# Altium PCB Proyecto_0 - V2.PcbDoc (part 5 of 6) (continued)
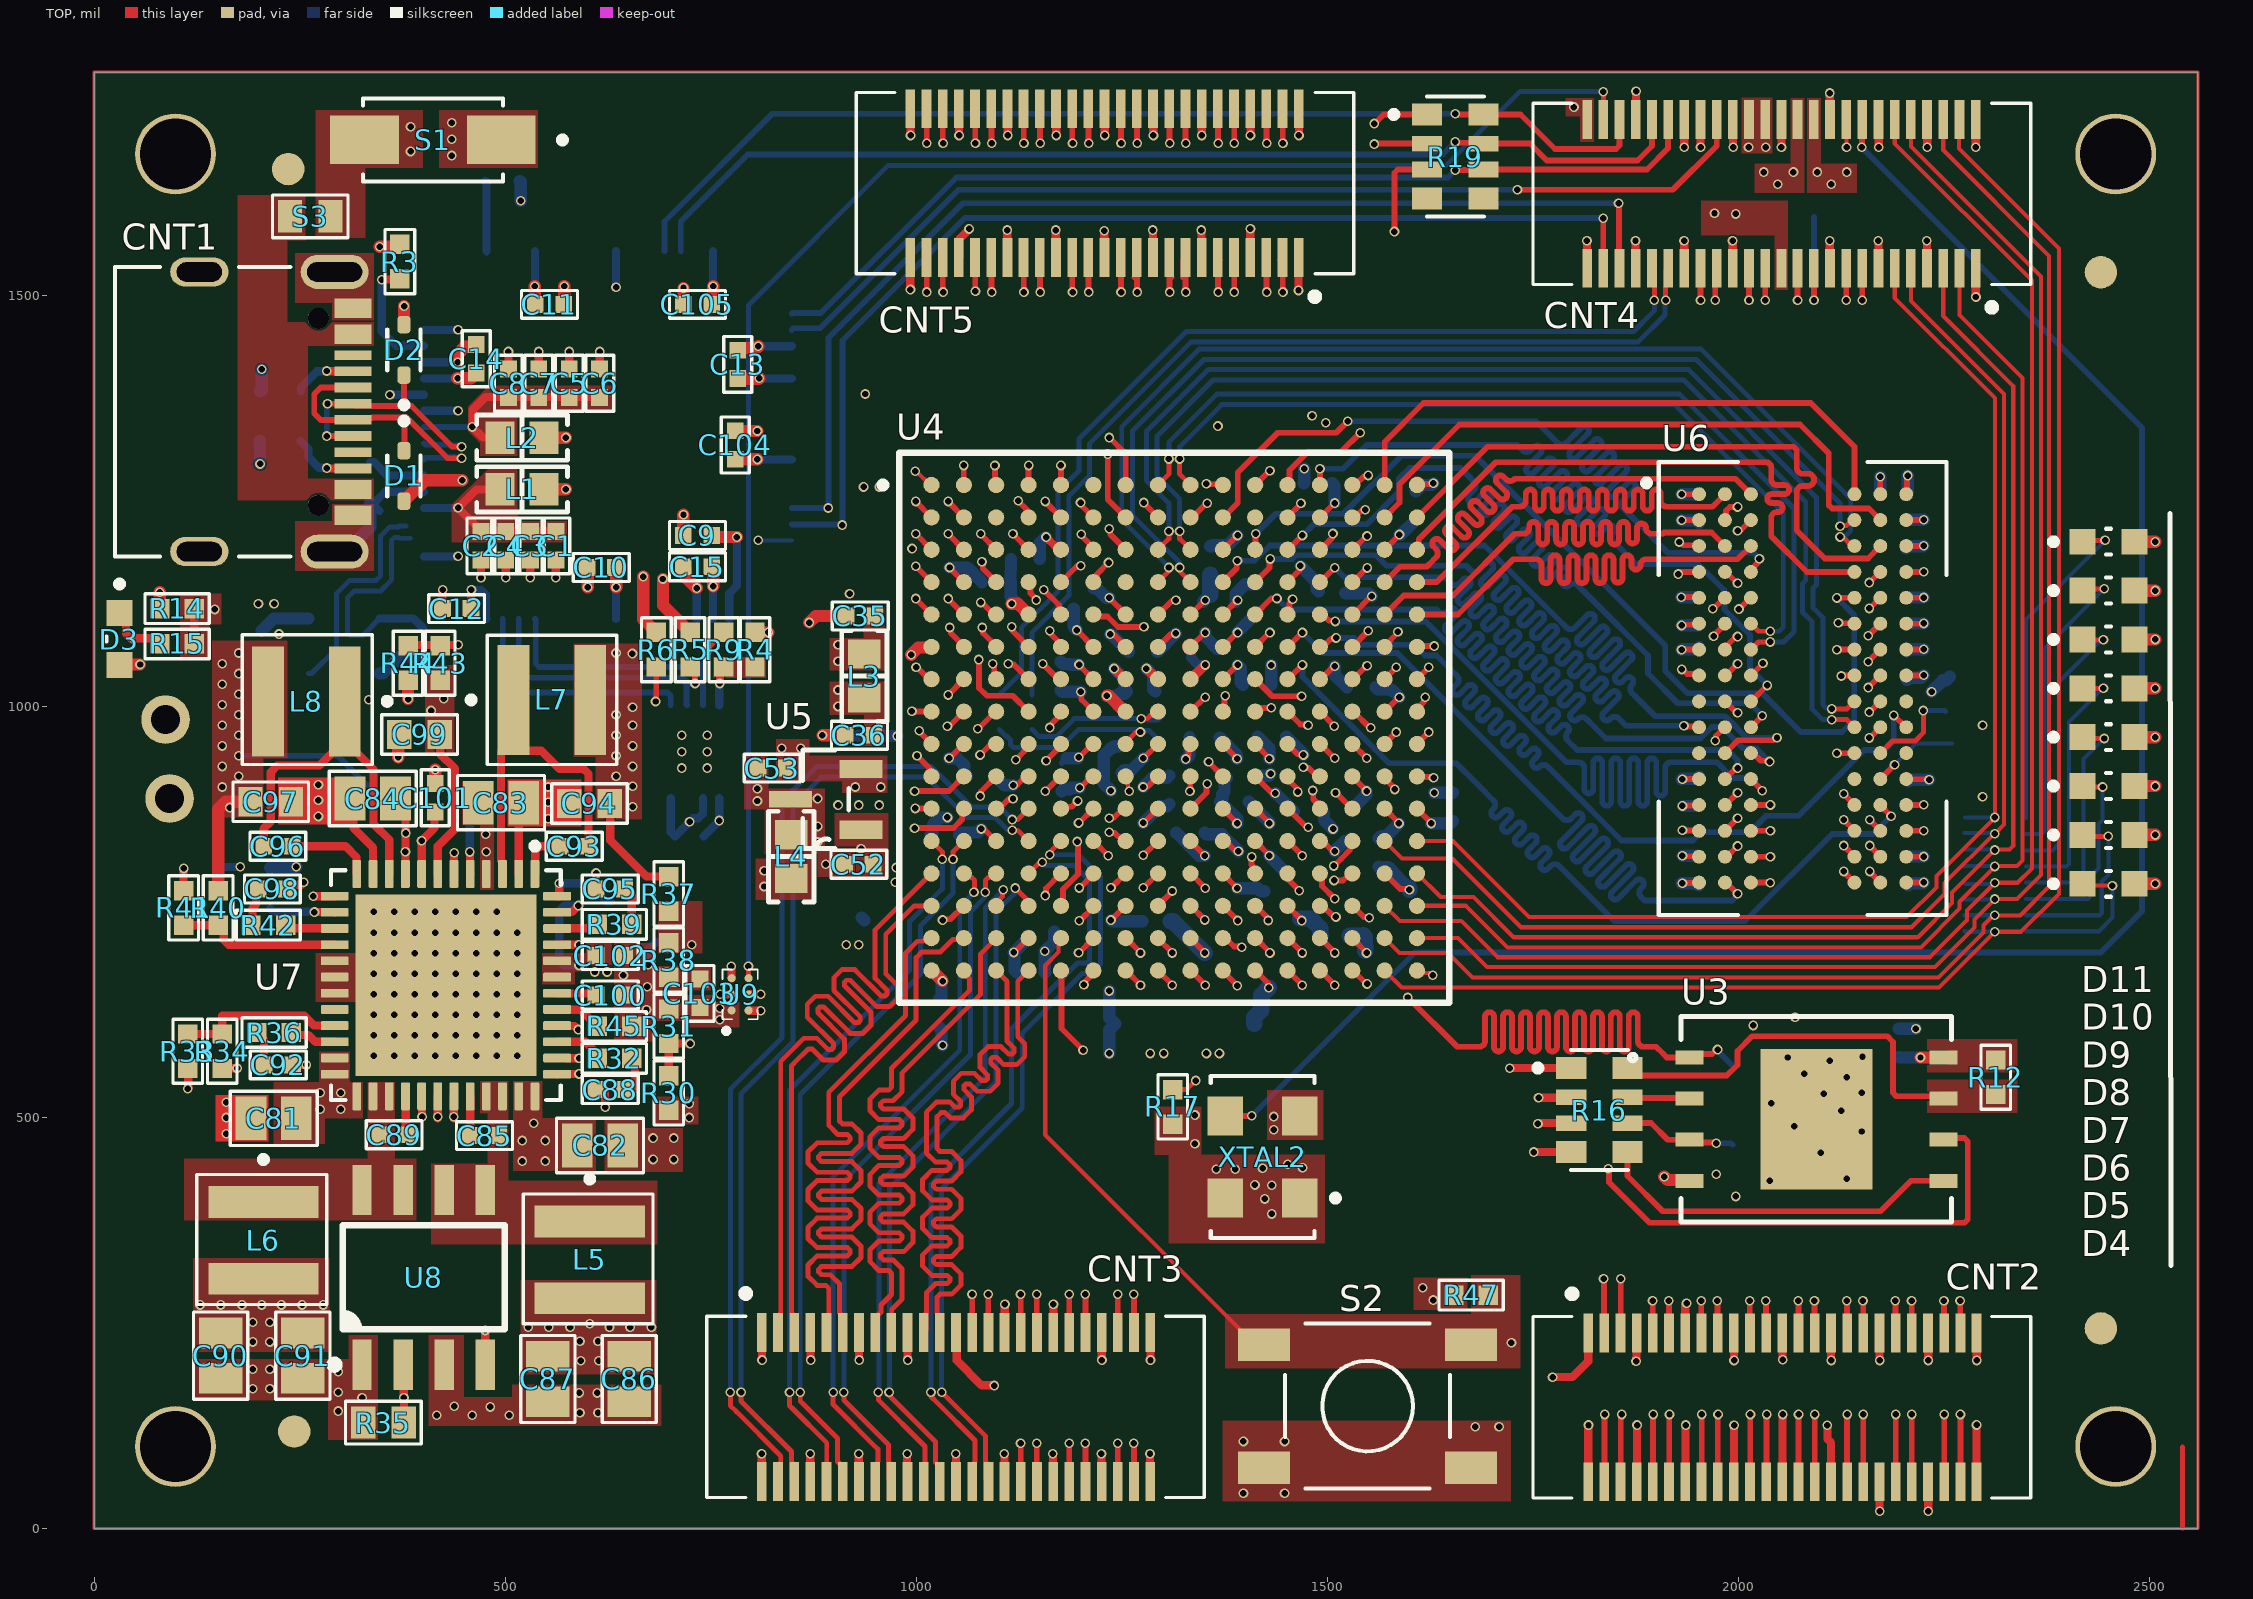
[diagram p0: TOP view]
## Nets (pads, with @x,y where several pads share a name; then routed paths per layer and width w, separated by ;. In a path a pad name is that pad's centre, name@x,y a point inside that pad or via, vN(x,y) a via of type N, cw(c..) or ccw(c..) an arc to the next point about the centre after c; other vN are vias at no path point) (continued)
P5: CNT4.8 U4.P5 | length 1491
  TOP w7: U4.P5@1176.09,757.52 1178.52,759.95 1178.52,777.62 1196.76,795.86 1196.76,834.8 v1(1195.91,835.65) ; v1(2150.8,1494) CNT4.8@2150.8,1532.9
  Signal[1] w6: v1(1195.91,835.65) 1196.35,836.09 1427.08,836.09 1453.09,862.11 1453.09,938.52 1480.67,966.09 1481.11,966.09 1487.5,972.48 1487.5,972.92 1535.94,1021.36 1535.94,1180.59 1550.17,1194.82 1852.43,1194.82 2149.54,1491.93 v1@2150.8,1491.93
P8: CNT2.34 U4.T8 | length 1333.3
  TOP w7: U4.T8@1294.83,678.59 1294.83,677.87 1311.59,661.11 v1(1311.59,660.82) ; CNT2.34@2132.22,57.17 2132.3,57.24 v1@2132.3,138.98
  Signal[1] w6: v1(1311.59,660.82) 1311.59,582.83 1311.91,582.52 1311.91,573.48 1311.59,573.17 1311.59,416.41 1645,83 2076.31,83 v1@2132.31,139
  other v1: 2132.31,138.9
P9: CNT2.36 U4.R8 | length 1302
  TOP w7: U4.R8@1294.83,717.96 1294.83,717.24 1311.59,700.48 v1(1311.59,700.19) ; CNT2.36@2092.85,57.17 2092.93,57.24 v1@2092.93,138.98
  Signal[1] w6: v1(1311.59,700.19) 1312.21,700.19 1327,685.4 1327,432 1660,99 2052.94,99 v1@2092.94,139
  other v1: 2092.94,138.9
P10: CNT2.43 U4.R10 | length 934.3
  TOP w7: U4.R10@1373.57,717.96 1376.57,717.96 1386.61,707.92 1395.08,707.92 v1(1396,707) ; CNT2.43@1955.06,57.17 1955.37,57.48 1955.37,138.64 v1(1955.63,138.9)
  Signal[1] w6: v1(1396,707) 1452.2,650.8 1452.2,598.8 1832,219 1875.53,219 v1(1955.63,138.9)
P11: CNT2.42 U4.T12 | length 861.5
  TOP w7: U4.T12@1452.31,678.59 v1@1469.69,661.21 ; CNT2.42@1974.74,57.17 1975.06,57.48 1975.06,138.64 v1(1975.31,138.9)
  Signal[1] w6: v1(1469.69,660.82) 1469.69,604.31 1841,233 1881.21,233 v1(1975.31,138.9)
P13: CNT2.45 U4.N9 | length 992.3
  TOP w7: U4.N9@1334.2,796.7 v1@1351.58,779.32 ; CNT2.45@1915.69,57.17 1916,57.48 1916,138.64 v1(1916.26,138.9)
  Signal[1] w6: v1(1351.58,778.93) 1377,753.51 1377,706 1415,668 1415,620 1865,170 1885.16,170 v1(1916.26,138.9)
P14: CNT2.48 U4.T10 | length 821.8
  TOP w7: U4.T10@1373.57,678.59 1373.57,677.58 1390.36,660.79 v1(1390.36,660.22) ; CNT2.48@1856.63,57.17 1856.94,57.48 1856.94,133.49 1857.16,133.7 1857.16,137.1 v1@1858.08,138.02
  Signal[1] w6: v1(1390.36,660.22) 1390.95,659.63 1390.95,606.02 v1(1858.08,138.9)
PROGRAM_B: CNT4.11 R18.1 U4.L9 | length 1273.4
  TOP w7: U4.L9@1333.57,875.63 1353.08,895.14 1353.08,905.08 v1(1354,906) ; CNT4.11@2091.74,1532.9 2091.87,1532.77 v1@2091.87,1493.13 ; v1@2091.87,1494.07 v1@2092,1493.93
  Signal[1] w7: v1(1354,906) 1376.65,928.65 1376.65,962.64 1452,1037.99 1452,1056.15 1474.31,1078.46 1474.56,1078.46 1481.25,1085.14 1481.25,1085.39 1493.95,1098.09 1493.95,1214.39 1534.42,1254.87 1557.93,1254.87 1572.09,1240.71 1840.57,1240.71 2092,1492.13 v1@2092,1493
  BOT w7: v1@2092,1493 R18.1@2092,1595.38
  other v1: 2092,1494
QSPI_C\S\: R13.1 U3.1 U4.L12 | length 1500
  TOP w7: U4.L12@1452.31,875.44 1473.83,853.92 1476.08,853.92 v1(1477,853) ; v1(1598,646) 1658,586 1681.33,586 1684.83,586 ccw(c1684.83,593) 1691.83,593 1691.83,622.65 cw(c1697.29,622.65) 1702.76,622.65 1702.76,585.88 ccw(c1708.23,585.88) 1713.7,585.88 1713.7,622.65 cw(c1719.17,622.65) 1724.64,622.65 1724.64,585.88 ccw(c1730.11,585.88) 1735.57,585.88 1735.57,622.65 cw(c1741.04,622.65) 1746.51,622.65 1746.51,585.88 ccw(c1751.98,585.88) 1757.45,585.88 1757.45,622.65 cw(c1762.92,622.65) 1768.38,622.65 1768.38,585.88 ccw(c1773.85,585.88) 1779.32,585.88 1779.32,622.65 cw(c1784.79,622.65) 1790.26,622.65 1790.26,585.88 ccw(c1795.73,585.88) 1801.2,585.88 1801.2,622.65 cw(c1806.66,622.65) 1812.13,622.65 1812.13,585.88 ccw(c1817.6,585.88) 1823.07,585.88 1823.07,622.65 cw(c1828.54,622.65) 1834.01,622.65 1834.01,585.88 ccw(c1839.48,585.88) 1844.94,585.88 1844.94,622.65 cw(c1850.41,622.65) 1855.88,622.65 1855.88,585.88 ccw(c1861.35,585.88) 1866.82,585.88 1866.82,622.65 cw(c1872.29,622.65) 1877.75,622.65 1877.75,593 ccw(c1884.75,593) 1884.75,586 1900,586 1908.88,577.12 1913,573 U3.1@1940.5,573 1944.8,577.3 1968,577.3 1973.41,582.71 v1(1974.71,582.71)
  Signal[2] w6: v1(1477,853) 1493,837 1493,736 1583,646 v1(1598,646)
  BOT w7: v1(1974.71,582.71) 1975.63,581.79 1975.63,580.37 R13.1@1993,563
QSPI_CLK: U3.6 U4.E8 | length 1593.3
  TOP w7: U4.E8@1293.81,1111.4 1310.72,1128.31 1315.04,1128.31 v1(1315.96,1129.23) ; v1(1841.71,437.71) 1842.63,436.79 1842.63,421.37 1892,372 2274.9,372 2279,376.1 2279,470.9 2274.9,475 2251.5,475 U3.6@2249.5,473
  Signal[2] w6: v1(1315.96,1129.23) 1315.96,1128.54 1329,1115.5 1329,981 1484,826 1484,706 1752.29,437.71 v1(1841.71,437.71)
QSPI_DATA0: R16.5 U3.5 | length 446.4
  TOP w7: R16.5@1865.25,457.82 1865.25,428.75 1908,386 2173,386 2210,423 U3.5@2249.5,423
QSPI_DATA0_T: R16.4 U4.K16 | length 1568.7
  TOP w7: U4.K16@1609.42,914.81 1610.06,914.17 1628.41,914.17 v1(1629.24,913.34)
  TOP w10: v1(1751,458) 1751.09,457.91 1796.02,457.91 R16.4@1796.75,457.18
  Signal[2] w6: v1(1629.24,913.34) 1628.34,913.34 1609,894 1609,797 1733.02,672.98 1863.02,672.98 1864.93,671.07 1875,661 1875,655.87 ccw(c1881,655.87) 1881,649.87 1907.31,649.87 cw(c1907.31,644.9) 1907.31,639.93 1871.43,639.93 ccw(c1871.43,634.96) 1871.43,629.99 1907.31,629.99 cw(c1907.31,625.02) 1907.31,620.06 1871.43,620.06 ccw(c1871.43,615.09) 1871.43,610.12 1907.31,610.12 cw(c1907.31,605.15) 1907.31,600.18 1871.43,600.18 ccw(c1871.43,595.21) 1871.43,590.24 1907.31,590.24 cw(c1907.31,585.28) 1907.31,580.31 1871.43,580.31 ccw(c1871.43,575.34) 1871.43,570.37 1907.31,570.37 cw(c1907.31,565.4) 1907.31,560.43 1871.43,560.43 ccw(c1871.43,555.47) 1871.43,550.5 1907.31,550.5 cw(c1907.31,545.53) 1907.31,540.56 1871.43,540.56 ccw(c1871.43,535.59) 1871.43,530.62 1907.31,530.62 cw(c1907.31,525.65) 1907.31,520.69 1871.43,520.69 ccw(c1871.43,515.72) 1871.43,510.75 1907.31,510.75 cw(c1907.31,505.78) 1907.31,500.81 1871.43,500.81 ccw(c1871.43,495.84) 1871.43,490.87 1907.31,490.87 cw(c1907.31,485.91) 1907.31,480.94 1881,480.94 ccw(c1881,474.94) 1875,474.94 1875,462 1871,458 v1(1751,458)
QSPI_DATA1: R16.7 U3.2 | length 79.9
  TOP w7: R16.7@1862,526 1864.13,523.87 1939.63,523.87 U3.2@1940.5,523 U3.2@1940.37,522.87
QSPI_DATA1_T: R16.2 U4.J14 | length 1446.3
  TOP w7: U4.J14@1530.7,954.18 1547.98,936.91 v1(1548.06,936.91)
  TOP w10: v1(1757,524) 1757.18,524.18 R16.2@1796.75,524.18
  Signal[2] w6: v1(1548.06,936.91) 1548.06,936.41 1561,923.48 1561,923 1561,898.83 1561,772.51 1561,764 1570.14,754.86 cw(c1565.89,750.62) 1570.14,746.38 1555.93,732.18 ccw(c1559.44,728.66) 1555.93,725.15 ccw(c1559.44,728.66) 1562.96,725.15 1580.1,742.29 cw(c1583.61,738.78) 1587.12,742.29 cw(c1583.61,738.78) 1587.12,735.26 1569.98,718.12 ccw(c1573.5,714.61) 1569.98,711.1 ccw(c1573.5,714.61) 1577.01,711.1 1594.15,728.24 cw(c1597.66,724.72) 1601.18,728.24 cw(c1597.66,724.72) 1601.18,721.21 1584.04,704.07 ccw(c1587.55,700.56) 1584.04,697.04 ccw(c1587.55,700.56) 1591.06,697.04 1608.2,714.18 cw(c1611.72,710.67) 1615.23,714.18 cw(c1611.72,710.67) 1615.23,707.16 1598.09,690.02 ccw(c1601.6,686.5) 1598.09,682.99 ccw(c1601.6,686.5) 1605.12,682.99 1619.32,697.19 cw(c1623.56,692.95) 1627.81,697.19 1647.31,677.69 1685.51,639.49 1690,639.49 1702.94,639.49 cw(c1702.94,633.49) 1708.94,633.49 1708.94,610.9 ccw(c1713.91,610.9) 1718.87,610.9 1718.87,642.78 cw(c1723.84,642.78) 1728.81,642.78 1728.81,610.9 ccw(c1733.78,610.9) 1738.75,610.9 1738.75,642.78 cw(c1743.72,642.78) 1748.69,642.78 1748.69,610.9 ccw(c1753.65,610.9) 1758.62,610.9 1758.62,633.49 cw(c1764.62,633.49) 1764.62,639.49 1782.49,639.49 1785.95,636.03 1786,635.98 1786,634.72 1786,623.5 ccw(c1792,623.5) 1792,617.5 1795.71,617.5 cw(c1795.71,612.53) 1795.71,607.56 1775.42,607.56 ccw(c1775.42,602.59) 1775.42,597.62 1795.71,597.62 cw(c1795.71,592.65) 1795.71,587.69 1742.58,587.69 ccw(c1742.58,582.72) 1742.58,577.75 1795.71,577.75 cw(c1795.71,572.78) 1795.71,567.81 1742.58,567.81 ccw(c1742.58,562.84) 1742.58,557.87 1795.71,557.87 cw(c1795.71,552.91) 1795.71,547.94 1769.05,547.94 ccw(c1769.05,542.97) 1769.05,538 1780,538 cw(c1780,532) 1786,532 1786,529 1786,527.51 1782.49,524 v1(1757,524)
QSPI_DATA2: R11.1 R16.6 U3.3 | length 139.5
  TOP w7: R16.6@1865.25,493.25 1893.75,493.25 1914,473 U3.3@1940.5,473 ; U3.3@1940.5,475 1945.77,469.73 1972.08,469.73 v1(1973,468.81)
  BOT w7: v1(1973,468.81) 1991.19,468.81 R11.1@1993,467
QSPI_DATA2_T: R16.3 U4.K15 | length 1555.8
  TOP w7: U4.K15@1569.42,915.81 1569.42,912.88 1582,900.3 v1(1582,899)
  TOP w10: v1(1756.29,492.29) 1756.78,492.29 1757.67,493.18 R16.3@1796.75,493.18
  Signal[2] w6: 1577.82,772.86 1576.27,774.42 1576.27,774.73 1572,779 1572,888.31 1582,898.31 v1(1582,899) ; 1579.95,770.74 1600.32,750.42 ccw(c1604.56,754.67) 1608.8,750.43 1614.07,755.69 cw(c1617.58,752.18) 1621.1,755.69 cw(c1617.58,752.18) 1621.1,748.67 1611.75,739.32 ccw(c1615.26,735.81) 1611.75,732.3 ccw(c1615.26,735.81) 1618.78,732.3 1634.98,748.5 cw(c1638.49,744.98) 1642,748.5 cw(c1638.49,744.98) 1642,741.47 1625.8,725.27 ccw(c1629.32,721.76) 1625.8,718.24 ccw(c1629.32,721.76) 1632.83,718.24 1649.03,734.44 cw(c1652.54,730.93) 1656.06,734.44 cw(c1652.54,730.93) 1656.06,727.42 1639.86,711.22 ccw(c1643.37,707.7) 1639.86,704.19 ccw(c1643.37,707.7) 1646.88,704.19 1663.08,720.39 cw(c1666.6,716.88) 1670.11,720.39 cw(c1666.6,716.88) 1670.11,713.36 1653.91,697.16 ccw(c1657.42,693.65) 1653.91,690.14 ccw(c1657.42,693.65) 1660.94,690.14 1677.14,706.34 cw(c1680.65,702.82) 1684.16,706.34 cw(c1680.65,702.82) 1684.16,699.31 1667.96,683.11 ccw(c1671.48,679.6) 1667.96,676.08 ccw(c1671.48,679.6) 1674.99,676.08 1691.19,692.28 cw(c1694.7,688.77) 1698.22,692.28 cw(c1694.7,688.77) 1698.21,685.26 1686.21,673.25 ccw(c1690.45,669.01) 1686.22,664.76 1693.25,657.75 1695,656 1695.74,656 1812,656 1816.55,651.45 1826,642 1826,639.18 cw(c1820,639.18) 1820,633.18 1815.37,633.18 ccw(c1815.37,628.21) 1815.37,623.24 1852.13,623.24 cw(c1852.13,618.28) 1852.13,613.31 1815.37,613.31 ccw(c1815.37,608.34) 1815.37,603.37 1852.13,603.37 cw(c1852.13,598.4) 1852.13,593.43 1815.37,593.43 ccw(c1815.37,588.47) 1815.37,583.5 1852.13,583.5 cw(c1852.13,578.53) 1852.13,573.56 1815.37,573.56 ccw(c1815.37,568.59) 1815.37,563.62 1852.13,563.62 cw(c1852.13,558.65) 1852.13,553.69 1815.37,553.69 ccw(c1815.37,548.72) 1815.37,543.75 1852.13,543.75 cw(c1852.13,538.78) 1852.13,533.81 1815.37,533.81 ccw(c1815.37,528.84) 1815.37,523.87 1852.13,523.87 cw(c1852.13,518.91) 1852.13,513.94 1815.37,513.94 ccw(c1815.37,508.97) 1815.37,504 1820,504 cw(c1820,498) 1826,498 1826,496.51 1824.49,495 1822.49,493 1757,493 v1(1756.29,492.29)
QSPI_DATA3: R12.1 R16.8 U3.7 | length 484.2
  TOP w7: R16.8@1867,561 1877,551 1986,551 1999,564 1999,581 2017,599 2181,599 2188,592 2188,530.1 2192.1,526 2246.5,526 U3.7@2249.5,523
QSPI_DATA3_T: R16.1 U4.J13 | length 1574.9
  TOP w7: U4.J13@1491.68,954.18 1491.68,954.01 1508.79,936.91 v1(1509.06,936.91)
  TOP w10: v1(1722,560) 1722.09,560.09 1796.66,560.09 R16.1@1796.75,560.18
  Signal[2] w6: v1(1509.06,936.91) 1509.06,936.41 1518.07,927.41 1521.07,924.41 ; 1521.1,924.38 ccw(c1527.07,930.4) 1527.07,921.92 1542.96,921.92 cw(c1542.96,916.95) 1542.96,911.98 1525.91,911.98 ccw(c1525.91,907.02) 1525.91,902.05 1531.93,902.05 cw(c1531.93,897.08) 1531.93,892.11 1525.91,892.11 ccw(c1525.91,887.14) 1520.94,887.14 ccw(c1525.91,887.14) 1525.91,882.17 1542.96,882.17 cw(c1542.96,877.2) 1542.96,872.24 1525.91,872.24 ccw(c1525.91,867.27) 1525.91,862.3 1542.96,862.3 cw(c1542.96,857.33) 1542.96,852.36 1525.91,852.36 ccw(c1525.91,847.39) 1525.91,842.43 1542.96,842.43 cw(c1542.96,837.46) 1542.96,832.49 1525.91,832.49 ccw(c1525.91,827.52) 1525.91,822.55 1542.96,822.55 cw(c1542.96,817.58) 1542.96,812.61 1525.91,812.61 ccw(c1525.91,807.65) 1525.91,802.68 1542.96,802.68 cw(c1542.96,797.71) 1542.96,792.74 1525.91,792.74 ccw(c1525.91,787.77) 1525.91,782.8 1542.96,782.8 cw(c1542.96,777.83) 1542.96,772.87 1525.91,772.87 ccw(c1525.91,767.9) 1525.91,762.93 1542.96,762.93 cw(c1542.96,757.96) 1542.96,752.99 1525.91,752.99 ccw(c1525.91,748.02) 1525.91,743.06 1529,743.06 cw(c1529,737.06) 1535,737.06 1535,733 1541.86,726.14 1616.4,651.6 1618.52,649.48 ccw(c1622.76,653.72) 1627.01,649.48 1637.64,660.12 cw(c1641.16,656.6) 1644.67,660.12 cw(c1641.16,656.6) 1644.67,653.09 1607.47,615.89 ccw(c1610.98,612.38) 1607.47,608.86 ccw(c1610.98,612.38) 1614.49,608.86 1651.7,646.06 cw(c1655.21,642.55) 1658.72,646.06 cw(c1655.21,642.55) 1658.72,639.04 1621.52,601.84 ccw(c1625.03,598.32) 1621.52,594.81 ccw(c1625.03,598.32) 1628.55,594.81 1665.75,632.01 cw(c1669.26,628.5) 1672.78,632.01 cw(c1669.26,628.5) 1672.78,624.98 1635.57,587.78 ccw(c1639.09,584.27) 1635.57,580.76 ccw(c1639.09,584.27) 1642.6,580.76 1679.8,617.96 cw(c1683.32,614.44) 1686.83,617.96 cw(c1683.32,614.44) 1686.83,610.93 1649.63,573.73 ccw(c1653.14,570.22) 1649.63,566.7 ccw(c1653.14,570.22) 1656.65,566.7 1693.85,603.91 cw(c1697.37,600.39) 1700.88,603.9 cw(c1697.37,600.39) 1700.88,596.88 1663.68,559.68 ccw(c1667.19,556.16) 1663.68,552.65 ccw(c1667.19,556.16) 1670.71,552.65 1707.91,589.85 cw(c1711.42,586.34) 1714.93,589.85 cw(c1711.42,586.34) 1714.93,582.83 1711.3,579.19 ccw(c1715.54,574.95) 1711.3,570.7 1721.42,560.58 v1(1722,560)
R7: CNT2.27 U4.T5 | length 1632.2
  TOP w7: U4.T5@1176.72,678.59 1176.72,608.28 v1(1203,582) ; CNT2.27@2270.02,57.17 2270.09,57.24 v1@2270.09,138.98
  Signal[1] w6: v1(1203,582) 1203,425 1610,18 2149.11,18 v1@2270.11,139
  other v1: 2270.11,138.9
R8: CNT2.33 U4.T7 | length 1390.3
  TOP w7: U4.T7@1255.46,678.59 v1@1272.84,661.21 ; CNT2.33@2151.91,57.17 2151.98,57.24 v1@2151.98,138.98
  Signal[1] w6: v1(1272.84,660.82) 1272.84,435.16 1637,71 2084,71 v1@2152,139
  other v1: 2152,138.9
R10: CNT2.14 U4.N13 | length 906
  TOP w7: U4.N13@1491.22,796.46 1493.48,794.2 1493.48,781.52 v1(1509,766) ; v1@2072.83,276.45 2073.03,276.26 2073.03,238.3 CNT2.14@2073.11,238.21
  Signal[1] w6: v1(1509,766) 1509,767.57 1531.43,790 1632,790 2072.83,349.17 v1@2072.83,276.66
  other v1: 2072.83,277
R11: CNT2.15 U4.N14 | length 938.2
  TOP w7: v1(1508.21,788.41) 1519.1,788.41 1527.59,796.89 U4.N14@1530.42,796.89 ; v1(2092.52,277) 2092.71,276.81 2092.71,238.3 CNT2.15@2092.8,238.21
  Signal[1] w6: v1(1508.21,788.41) 1522.81,803 1678,803 2092.52,388.48 v1(2092.52,277)
R12: CNT2.11 U4.P14 | length 758.2
  TOP w7: U4.P14@1531.05,757.33 1544.46,743.92 1550.08,743.92 v1(1551,743) ; v1(2013.78,277) 2013.97,276.81 2013.97,238.3 CNT2.11@2014.06,238.21
  Signal[1] w6: v1(1551,743) 1612,743 2013.78,341.22 v1(2013.78,277)
R13: CNT2.40 U4.R11 | length 952.3
  TOP w7: U4.R11@1412.94,717.96 v1@1430.32,700.58 ; CNT2.40@2014.11,57.17 2014.43,57.48 2014.43,138.64 v1(2014.69,138.9)
  Signal[1] w6: v1(1430.32,700.19) 1456,674.51 1472.74,674.51 1484,663.26 1484,614 1850,248 1905.58,248 v1(2014.69,138.9)
R15: CNT2.2 U4.T13 | length 583.1
  TOP w7: U4.T13@1491.68,678.59 v1@1509.06,661.21 ; v1(1836,304) 1836.5,303.5 1836.5,238.6 CNT2.2@1837,238.1
  Signal[1] w6: v1(1509.06,660.82) 1510.17,659.71 1510.17,629.83 v1(1836,304)
R16: CNT2.3 U4.R12 | length 656.2
  TOP w7: U4.R12@1452.31,717.96 v1@1469.69,700.58 ; CNT2.3@1856.69,238.1 1857,238.42 v1(1857,304)
  Signal[1] w6: v1(1469.69,700.19) 1491.81,700.19 1524.5,667.5 1524.5,640.5 v1@1857,308
R\A\S\: U4.A13 U6.J3 | length 1110.2
  TOP w7: U4.A13@1491.08,1269.36 v1(1491.1,1289.09) ; U6.J3@2015.22,1006.19 2015.62,1006.21 2034.92,1025.51 v1(2035.3,1025.51)
  BOT w7: v1(1491.1,1289.09) 1519.09,1289.09 1548,1318 1731,1318 1735,1314 1737.48,1311.52 ccw(c1742.43,1316.47) 1747.38,1311.52 1751.6,1315.74 cw(c1755.46,1311.87) 1759.33,1315.74 cw(c1755.46,1311.87) 1759.33,1308.01 1743.39,1292.07 ccw(c1747.26,1288.2) 1743.39,1284.34 ccw(c1747.26,1288.2) 1751.12,1284.34 1767.06,1300.27 cw(c1770.93,1296.41) 1774.8,1300.27 cw(c1770.93,1296.41) 1774.8,1292.54 1758.86,1276.6 ccw(c1762.73,1272.74) 1758.86,1268.87 ccw(c1762.73,1272.74) 1766.59,1268.87 1782.53,1284.81 cw(c1786.4,1280.94) 1790.26,1284.81 cw(c1786.4,1280.94) 1790.26,1277.07 1774.33,1261.14 ccw(c1778.19,1257.27) 1774.33,1253.4 ccw(c1778.19,1257.27) 1782.06,1253.4 1798,1269.34 cw(c1801.86,1265.47) 1805.73,1269.34 cw(c1801.86,1265.47) 1805.73,1261.61 1789.79,1245.67 ccw(c1793.66,1241.8) 1789.79,1237.93 ccw(c1793.66,1241.8) 1797.53,1237.93 1813.46,1253.87 cw(c1817.33,1250.01) 1821.2,1253.87 cw(c1817.33,1250.01) 1821.2,1246.14 1805.26,1230.2 ccw(c1809.13,1226.33) 1805.26,1222.47 ccw(c1809.13,1226.33) 1812.99,1222.47 1828.93,1238.41 cw(c1832.8,1234.54) 1836.67,1238.41 cw(c1832.8,1234.54) 1836.67,1230.67 1824.84,1218.85 ccw(c1828.71,1214.98) 1824.84,1211.12 ccw(c1828.71,1214.98) 1832.58,1211.12 1840.18,1218.72 cw(c1844.05,1214.85) 1847.91,1218.72 cw(c1844.05,1214.85) 1847.91,1210.99 ccw(c1852.86,1206.04) 1847.91,1201.09 1875.03,1173.97 1876,1173 1879,1173 1951,1173 1983,1141 1983,1118 2014.1,1086.9 2014.1,1046.71 v1(2035.3,1025.51)
RESET: CNT4.42 R47.1 S2.1 S2.2 U4.R5 | length 2322.5
  TOP w5: U4.R5@1176.09,718.15 1173.28,715.34 1173.28,701.28 1157,685 1157,479 1394.02,241.98 1394.02,240.99 1411.2,223.8 S2.1@1423.02,223.8 ; CNT4.42@2131.11,1714 2131.34,1713.77 v1@2131.34,1680.12 ; v1@2131.34,1680 v1@2131.34,1680.12 ; v1@2131.58,1679.88 v1@2131.34,1680.12
  Signal[2] w5: v1(1724,226) 1933,435 1933,509 2174,750 2174,1207.3 2187.02,1220.32 2187.02,1624.56 v1(2131.58,1680)
T5: CNT2.24 U4.K13 | length 1194
  TOP w7: v1(1471,926) 1471.92,925.08 1477.55,925.08 1487.82,914.81 U4.K13@1491.68,914.81 ; v1(2269.69,277) 2269.88,276.81 2269.88,238.3 CNT2.24@2269.96,238.21
  Signal[1] w6: v1(1471,926) 1727,926 2269.69,383.31 v1(2269.69,277)
T7: CNT2.20 U4.K12 | length 1089.4
  TOP w7: U4.K12@1452.31,914.81 1452.31,910.94 1463.08,900.18 1463.08,896.92 v1(1464,896) ; v1(2190.94,277) 2191.14,276.81 2191.14,238.3 CNT2.20@2191.22,238.21
  Signal[1] w6: v1(1464,896) 1494,866 1523,866 1543,846 1696,846 2191.11,350.89 v1@2191.11,277.17 ; v1@2190.94,276.92 v1@2191.11,277.08
T8: CNT2.21 U4.L13 | length 1101
  TOP w7: v1(1482.33,897.75) 1482.33,896.13 1482.92,895.53 1482.92,887.2 1490.42,879.7 U4.L13@1490.42,875.83 ; v1(2210.63,277) 2210.82,276.81 2210.82,238.3 CNT2.21@2210.91,238.21
  Signal[1] w6: v1(1482.33,897.75) 1482.33,897.37 1498.69,881 1526,881 1538,869 1706,869 2210.63,364.37 v1(2210.63,277)
T9: CNT2.31 U4.R7 | length 1501.6
  TOP w7: U4.R7@1255.46,717.96 v1@1272.84,700.58 ; CNT2.31@2191.28,57.17 2191.35,57.24 v1@2191.35,138.98
  Signal[1] w6: v1(1272.84,700.19) 1259,686.35 1259,430 1630,59 2111.37,59 v1@2191.37,139
  other v1: 2191.37,138.9
T10: CNT2.30 U4.M6 | length 1666.3
  TOP w7: U4.M6@1216.09,836.07 v1@1233.47,818.69 ; CNT2.30@2210.96,57.17 2211.04,57.24 v1@2211.04,138.98
  Signal[1] w6: v1(1233.47,818.3) 1249,802.77 1249,422 1626,45 2117.06,45 v1@2211.06,139
  other v1: 2211.06,138.9
T12: CNT2.12 U4.P13 | length 834.4
  TOP w7: U4.P13@1491.37,758.27 1493.74,758.27 1507.15,744.86 1509.65,744.86 v1(1510.57,743.94) ; v1(2033.46,277) 2033.66,276.81 2033.66,238.3 CNT2.12@2033.74,238.21
  Signal[1] w6: v1(1510.57,743.94) 1526.63,760 1620,760 2033.46,346.54 v1(2033.46,277)
T13: CNT2.39 U4.P10 | length 1026.9
  TOP w7: U4.P10@1373.57,757.33 v1@1390.95,739.95 ; CNT2.39@2033.8,57.17 2034.11,57.48 2034.11,138.64 v1(2034.37,138.9)
  Signal[1] w6: v1(1390.95,739.56) 1407.44,739.56 1461,686 1480,686 1496,670 1496,622 1858,260 1913.27,260 v1(2034.37,138.9)
T14: CNT2.5 U4.T14 | length 592.4
  TOP w7: U4.T14@1531.05,678.59 1531.47,678.59 1547.58,662.47 v1(1548.43,662.47) ; v1(1895.67,277) 1895.86,276.81 1895.86,238.3 CNT2.5@1896.06,238.1
  Signal[1] w6: v1(1548.43,662.47) 1548.43,637.57 1895.67,290.33 v1(1895.67,277)
T15: CNT2.6 U4.R13 | length 665.9
  TOP w7: U4.R13@1491.68,717.96 v1@1509.06,700.58 ; v1(1915.35,277) 1915.55,276.81 1915.55,238.3 CNT2.6@1915.63,238.21
  Signal[1] w6: v1(1509.06,700.19) 1509.76,699.49 1528.51,699.49 1562,666 1859.91,368.09 1915.35,312.65 v1(1915.35,277)
UART_RX: CNT4.24 U1.46 U4.P6 | length 1961.9
  TOP w7: v1@1198.89,739.26 U4.P6@1216.27,756.63 ; v1(1835.64,1593.62) 1835.74,1593.52 1835.74,1532.99 CNT4.24@1835.83,1532.9
  Signal[2] w6: v1(910.25,1220.64) 910.25,1198.75 1141,968 1141,857 1185,813 1185,752.76 1197.72,740.04 v1(1198.5,739.26) ; v1@1197.67,740 1199.61,741.94 v1@1199.61,742.61
  BOT w7: U1.46@848.62,1221.73 849.17,1221.19 908.77,1221.19 v1@908.97,1220.99 ; v1@910.25,1220.66 910.25,1445.03 1059.21,1593.98 1835.28,1593.98 v1(1835.64,1593.62)
UART_TX: CNT4.23 U1.45 U4.R6 | length 2049.5
  TOP w7: v1@1197.89,700.26 U4.R6@1215.27,717.63 ; v1(1854.25,1612.04) 1854.89,1611.41 1854.89,1533.53 CNT4.23@1855.52,1532.9
  Signal[2] w6: v1@892.37,1241.1 893.2,1240.26 893.2,1192.19 1103,982.39 1103,839.3 1136.35,805.95 1136.35,761.4 1196.76,701 v1@1198,701
  BOT w7: U1.45@848.62,1241.42 889.76,1241.42 v1@890.5,1242.15 ; v1@892.75,1241.82 893.2,1242.28 893.2,1448.5 1056.75,1612.04 v1(1854.25,1612.04)
  other v1: 1197.5,700.26 893.2,1241.34
UDM: U4.B10 U6.D3 | length 1150.3
  TOP w7: U4.B10@1372.94,1229.97 1373.72,1229.97 1391.1,1247.34 1391.1,1284.45 1439.65,1333 1511,1333 v1(1525,1347) ; U6.D3@2015.22,1163.67 2015.22,1166.35 2024.78,1175.91 2024.78,1178.75 v1(2025.7,1179.67)
  BOT w7: v1(1525,1347) 1754,1347 1778,1323 1780.47,1320.53 ccw(c1785.42,1325.47) 1790.37,1320.52 1808.9,1339.05 cw(c1812.77,1335.18) 1816.64,1339.05 cw(c1812.77,1335.18) 1816.64,1331.32 1795.84,1310.52 ccw(c1799.71,1306.65) 1795.84,1302.79 ccw(c1799.71,1306.65) 1803.57,1302.79 1824.37,1323.58 cw(c1828.24,1319.72) 1832.1,1323.58 cw(c1828.24,1319.72) 1832.1,1315.85 1811.31,1295.05 ccw(c1815.17,1291.19) 1811.31,1287.32 ccw(c1815.17,1291.19) 1819.04,1287.32 1839.84,1308.12 cw(c1843.7,1304.25) 1847.57,1308.12 cw(c1843.7,1304.25) 1847.57,1300.38 1826.77,1279.59 ccw(c1830.64,1275.72) 1826.77,1271.85 ccw(c1830.64,1275.72) 1834.51,1271.85 1855.3,1292.65 cw(c1859.17,1288.78) 1863.04,1292.65 cw(c1859.17,1288.78) 1863.04,1284.92 1842.24,1264.12 ccw(c1846.11,1260.25) 1842.24,1256.39 ccw(c1846.11,1260.25) 1849.97,1256.39 1865.77,1272.18 cw(c1869.64,1268.31) 1873.5,1272.18 cw(c1869.64,1268.31) 1873.5,1264.45 1859.98,1250.92 ccw(c1864.93,1245.97) 1859.98,1241.02 1896.63,1204.37 1899.11,1201.89 1914,1187 2018.37,1187 v1(2025.7,1179.67)
UDQS_N: U4.D9 U6.B7 | length 1230.8
  TOP w6: v1(1320.39,1169) 1320.39,1164.41 U4.D9@1333.57,1151.23 ; v1(2123.7,1219.17) 2124.81,1220.28 2131.87,1220.28 2138.24,1226.66 U6.B7@2141.2,1226.66
  BOT w6: v1(1320.39,1169) 1320.39,1175.13 1297.51,1198 1263,1232.51 1263,1335 1350,1422 1949,1422 2123.7,1247.3 v1(2123.7,1219.17)
UDQS_P: U4.D8 U6.C7 | length 1296.9
  TOP w6: U4.D8@1294.2,1151.23 1307.39,1164.41 v1(1307.39,1169) ; v1(2123.7,1206.17) 2124.81,1205.06 2128.35,1205.06 2138.24,1195.16 U6.C7@2141.2,1195.16
  BOT w6: v1(1307.39,1169) 1307.39,1169.74 1292.13,1185 1250,1227.13 1250,1340.38 1344.62,1435 1954.38,1435 2136.7,1252.69 2136.7,1213.78 2129.08,1206.17 v1(2123.7,1206.17)
USB_DATA_N: CNT1.A7 CNT1.B7 D1.K U1.7 | length 365.9
  TOP w7: CNT1.B7@315.13,1387.9 275.85,1387.9 268,1380.05 268,1356.37 275.85,1348.53 CNT1.A7@315.13,1348.53 317.53,1350.93 337.73,1350.93 338.17,1351.37 377.59,1351.37 ; D1.K@377,1311 377.59,1311.59 377.59,1351.37 ; v1(447,1302) 429.8,1302 380.43,1351.37 377.59,1351.37
  BOT w7: U1.7@401.38,1300.47 403.39,1302.48 431.86,1302.48 432.69,1303.31 438.49,1303.31 439.8,1302 v1(447,1302)
USB_DATA_P: CNT1.A6 CNT1.B6 D2.K U1.8 | length 341.2
  TOP w7: v1(283.21,1328.84) CNT1.B6@315.13,1328.84 ; v1(284,1368.21) CNT1.A6@315.13,1368.21 317.53,1365.81 337.73,1365.81 338.17,1365.37 377,1365.37 ; D2.K@377,1403 377,1365.37 ; v1(447,1316) 435.59,1316 386.23,1365.37 377,1365.37
  BOT w7: v1(283.21,1328.84) 283.21,1367.42 v1(284,1368.21) ; U1.8@401.38,1320.16 403.39,1318.15 431.86,1318.15 432.69,1317.31 444.29,1317.31 445.6,1316 v1(447,1316)
VCORE: C9.1 C12.2 C13.2 C14.2 U1.12 U1.37 U1.49 U1.64 | length 340.9
  TOP w10: C12.2@458.34,1119.02 459.02,1119.69 458.68,1120.03 458.68,1141.68 v1(459.02,1142.02)
  TOP w15: v1@442,1399 458.32,1399 C14.2@465,1405.68 ; C9.1@751.32,1208 753.32,1206 v1(782,1206) ; C13.2@783,1398.68 808.68,1398.68 v1(809,1399)
  BOT w10: U1.12@401.38,1398.9 441.9,1398.9 v1@442,1399 ; v1(459.02,1142.02) 459.36,1141.67 470.99,1141.67 476.85,1135.81 476.85,1106.89 U1.64@477.36,1106.38 ; U1.49@772.64,1106.38 772.64,1137.64 782,1147 v1(782,1206) ; v1(809,1399) 809.05,1398.95 848.47,1398.95 848.52,1399 U1.37@848.62,1398.9
  other v1: 442.54,1399
VPHY: C1.2 C2.2 C3.2 C4.2 L1.2 U1.4 | length 233.6
  TOP w10: L1.2@494,1264 465.13,1264 v1(442.76,1241.63) 465.53,1218.86 465.53,1217.88 470.43,1212.98 500.76,1212.98 530.76,1212.98 561.43,1212.98 C1.2@561.76,1212.65
  BOT w10: U1.4@401.38,1241.42 442.54,1241.42 v1(442.76,1241.63)